# KiCad board agb-hifi-audio-fpc.kicad_pcb
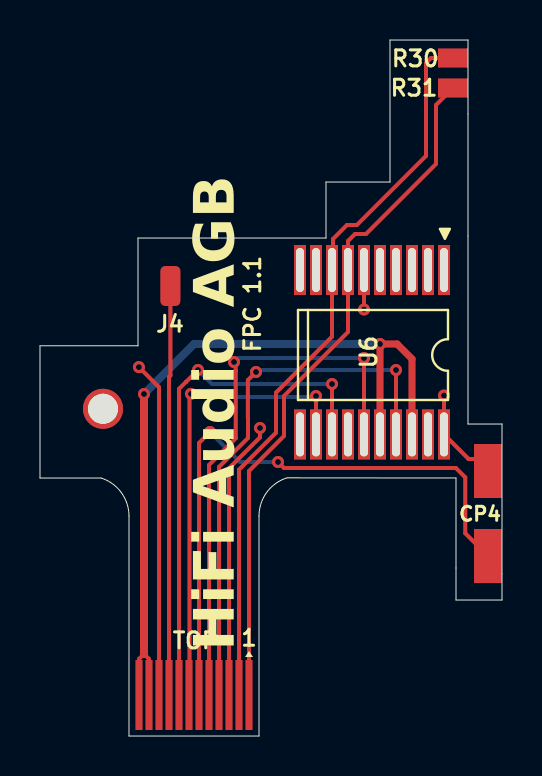
[diagram p0: board, top side]
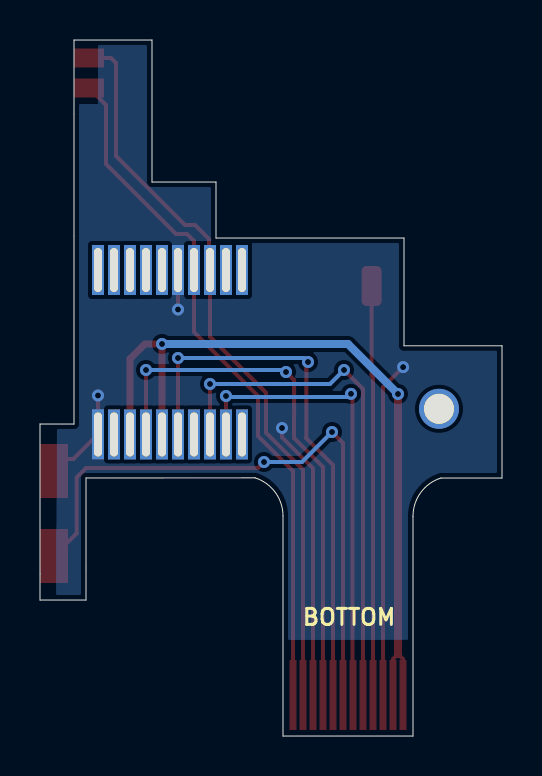
[diagram p1: board, bottom side, seen from below]

Outline 23.1 x 34.8 mm; copper layers: Top, Bottom. Coordinates in mm from the lower left corner of the outline.
Outline path: 0,19.51 4.9,19.51 4.9,24.9 14.3,24.9 14.3,27.7 17.5,27.7 17.5,34.8 21.4,34.8 21.4,15.6 23.1,15.6 23.1,6.8 20.8,6.8 20.8,12.9 12.35,12.91 arc(11.34,12.18) 10.95,11 10.95,0 4.45,0 4.45,10.99 arc(4.06,12.17) 3.05,12.9 0,12.9 0,19.51
Stack: Top 0.018mm / dielectric 0.025mm Polyimide er 3.2 / Bottom 0.018mm

## Placement (name value [footprint] x y rotation side)
J1  AGB_AMP_CONNECT  [AGB AMP CONNECT]  16.9 23.3 0 top
J4  PAIR  [SolderWirePad_1x01_SMD_1x2mm]  6.52 22.5 0 top
J5  BOARD_CONNECT  [FPC-Tail-12pos-0.5mm-FH12A]  7.7 0.3 180 top
REF**  -  [AGB_SPKR_CONNECT]  3.2 22.4 0 top  (not fitted)

## Library data of the parts
J1 = -: Description: Generic connector, double row, 02x09, counter clockwise pin numbering scheme (similar to DIP package numbering), script generated (kicad-library-utils/schlib/autogen/connector/); ki_fp_filters: Connector*:*_2x??_*
J4 = -: Description: Generic connector, single row, 01x01, script generated; ki_fp_filters: Connector*:*_1x??_*
J5 = -: Description: Generic connector, single row, 01x12, script generated (kicad-library-utils/schlib/autogen/connector/); ki_fp_filters: Connector*:*_1x??_*

## Footprints (pads in the part's own frame, mm; a bottom-side part is the same pattern mirrored in y, then rotated)
AGB AMP CONNECT
  rect 0.6x2.5 hole 0.4x2.2: 1(-3.9,0) 1(-3.9,-8.221) 1(3.3,0) 2(2.5,0) 3(1.7,0) 4(0.9,0) 5(0.1,0) 6(-0.7,0) 7(-1.5,0) 8(-2.3,0) 9(-3.1,0) 10(-3.1,-8.221) 11(-2.3,-8.221) 12(-1.5,-8.221) 13(-0.7,-8.221) 14(0.1,-8.221) 15(0.9,-8.221) 16(1.7,-8.221) 17(2.5,-8.221) 18(3.3,-8.221)
AGB_SPKR_CONNECT
  round 2 hole 1.5: 1(-0.05,-6.04)
FPC-Tail-12pos-0.5mm-FH12A
  rect 0.35x3.5 smd: 1(-2.75,-1.75) 2(-2.25,-1.75) 3(-1.75,-1.75) 4(-1.25,-1.75) 5(-0.75,-1.75) 6(-0.25,-1.75) 7(0.25,-1.75) 8(0.75,-1.75) 9(1.25,-1.75) 10(1.75,-1.75) 11(2.25,-1.75) 12(2.75,-1.75)
SolderWirePad_1x01_SMD_1x2mm
  rrect 1x2 smd: 1(0,0)

## Nets
AGND: J5.6
GND: J1.6 J1.18 J5.3 J5.10
VBAT: J1.14 J1.16 J5.11 J5.12
LIN: J1.8 J5.2
LOUT: J1.13 J5.5
PAIR: J4.1 J5.9
RIN: J1.7 J5.1
ROUT: J1.15 J5.4
SW: J1.11 J5.8
VOL: J1.10 J5.7

Pads without a net: J1 1 2 3 4 5 9 12 17; REF** 1

## Via types
v1: diameter 0.6, hole 0.3, Top to Bottom, 16 vias

## Routing (per net, layer and track width the routed paths; a pad name or vN(x,y) marks a point on that pad's centre or on a via; arc(x,y) is an arc through that point)
AGND: length 32
  Top w0.2: 7.95,1.5 7.95,14.65 v1(8.5,15.2) ; 22.4,9 21.26,10.14 21.26,12.93 20.79,13.4 12.2,13.4 v1(11.9,13.7)
  Bottom w0.2: v1(8.5,15.2) 10,13.7 v1(11.9,13.7)
GND: length 38.5
  Top w0.2: J1.6 v1(16.2,21.33) ; 9.45,1.5 9.45,13.38 11,14.93 v1(11,15.4) ; v1(20.2,17.03) J1.18 21.43,13.85 22.4,13.85 ; v1(4.94,18.44) 5.95,17.44 5.95,1.5
VBAT: length 40.3
  Top w0.2: J5.12 4.95,3.85 5.2,4.1 5.45,3.85 J5.11
  Top w0.35: J1.14 v1(17,19.6) 17.85,19.6 18.6,18.85 J1.16
  Top w0.4: v1(5.2,17.1) 5.2,4.1
  Bottom w0.4: v1(17,19.6) 7.7,19.6 v1(5.2,17.1)
LIN: length 37.7
  Top w0.2: 9.95,1.5 9.95,13.32 11.8,15.17 11.8,17.17 14.6,19.97 J1.8 ; 20.65,33.9 19.55,33.9 19.3,33.65 19.3,29.01 15.84,25.55 15.35,25.55 14.65,24.85 14.65,23.35
LOUT: length 28.2
  Top w0.2: 8.45,1.5 8.45,13.55 9.8,14.9 9.79,14.91 9.79,18.28 9.78,18.28 9.78,18.62 v1(9.7,18.7) ; J1.13 v1(16.2,18.9)
  Bottom w0.2: v1(9.7,18.7) 9.9,18.9 v1(16.2,18.9)
PAIR: length 21
  Top w0.2: 6.45,1.5 6.45,17.95 6.52,18.02 J4.1
RIN: length 35.4
  Top w0.2: 10.45,1.5 10.45,13.25 12.2,15 12.2,17 15.4,20.2 J1.7 15.4,24.75 15.75,25.1 16.3,25.1 19.8,28.6 19.8,31.55 20.65,32.4
ROUT: length 27.7
  Top w0.2: J1.15 v1(17.8,18.3) ; v1(10.8,18.2) 10.39,17.79 10.39,15.9 10.4,15.9 10.4,14.9 8.95,13.45 8.95,1.5
  Bottom w0.2: v1(17.8,18.3) 10.9,18.3 v1(10.8,18.2)
SW: length 26.7
  Top w0.2: v1(7.9,18.3) 7.31,17.71 7.3,17.71 6.95,17.36 6.95,1.5 ; J1.11 v1(14.6,17.6)
  Bottom w0.2: v1(14.6,17.6) 8.6,17.6 v1(7.9,18.3)
VOL: length 24
  Top w0.2: 7.48,1.5 7.48,17.03 v1(7.55,17.11) 7.45,17.01 ; J1.10 v1(13.8,17)
  Bottom w0.2: v1(13.8,17) 13.75,16.95 7.71,16.95 v1(7.55,17.11)

## Copper pours and planes (outline as drawn; the poured copper is in the pictures)
GND on Bottom: 31.6,35.7 -8.4,35.6 -7.5,-10.1 33.7,-9.8

## Text on the board
B.Silkscreen: BOTTOM
User.Comments: FLEX PCB FABRICATION NOTES - agb-hifi-audio-fpc / 1. Material: 2-layer flexible PCB, polyimide. Finished copper 0.5 oz (18 um) / both layers. Flex body thickness 0.11-0.13 mm (excluding stiffener). / 2. Finish: ENIG all exposed copper, including the connector fingers and the / edge lands (note 5). / 3. Coverlay both sides. Openings per the mask layers in the supplied data. / 4. STIFFENER (one, connector tail only): polyimide stiffener on the BOTTOM / side under the gold-finger region only, per the stiffener outline on the stiffener layer in the supplied data. / CRITICAL: total finished thickness at the fingers = 0.30 +/-0.05 mm / (mates with Hirose FH12A-12S-0.5SH ZIF). Stiffener must end before the / bend region - see outline. No stiffener anywhere else: all other pad / areas (U6 land, edge lands, ring pads) are soldered down flat and must / remain bare flex. / 5. EDGE-METALLIZED LANDS - INTENTIONAL: four copper rectangles on the top / layer extend flush to the board outline (two at the R30/R31 corner, two / at the CP4 tab). Do NOT pull copper back from the outline at these / features; cutting through copper here is required. These lands are / hand-soldered at the edge after installation. All other copper observes / >=0.25 mm outline clearance. / 6. CRITICAL DIMENSIONS: connector tail width 6.5 +/-0.05 mm across the / finger region; finger pitch 0.5 mm. Outline elsewhere +/-0.1 mm. / 7. The 180-degree fold in the tail is a one-time installation bend (static, / not dynamic). No special bend construction required; do not place / stiffener or coverlay transitions inside the bend region. / 8. Min trace/space in the design: 0.15 mm (at the connector fingers). / 9. Electrical test: 100% (netlist provided in the fabrication data).
F.Silkscreen: CP4 | TOP | R30 | R31 | FPC 1.1 | HiFi Audio AGB
JLC_Stiffener_Bottom: STIFFENER - CONNECTOR TAIL ONLY / POLYIMIDE, BOTTOM SIDE, OPPOSITE / THE GOLD FINGERS. / AREA = THE FILLED RECTANGLE ON THIS / LAYER, 6.525 x 4.825 mm, FLUSH WITH / THE TAIL TIP. / CRITICAL: TOTAL FINISHED THICKNESS / AT THE FINGERS = 0.30 +/-0.05 mm. / SELECT THE STIFFENER THICKNESS TO / SUIT YOUR STACKUP. / MUST END BEFORE THE BEND REGION. / NO STIFFENER ANYWHERE ELSE. | FLEX FABRICATION NOTES - agb-hifi-audio-fpc / 1. 2-LAYER FLEXIBLE POLYIMIDE. FINISHED COPPER / 0.5 oz (18 um) BOTH LAYERS. FLEX BODY / 0.11-0.13 mm, EXCLUDING THE STIFFENER. / 2. ENIG ON ALL EXPOSED COPPER, INCLUDING THE / CONNECTOR FINGERS AND THE EDGE LANDS (NOTE 5). / 3. COVERLAY BOTH SIDES. OPENINGS PER THE MASK / LAYERS IN THE SUPPLIED DATA. / 4. STIFFENER: SEE THE NOTE AT THE CONNECTOR TAIL. / 5. EDGE-METALLIZED LANDS ARE INTENTIONAL: FOUR / TOP-LAYER COPPER RECTANGLES RUN FLUSH TO THE / OUTLINE (TWO AT THE R30/R31 CORNER, TWO AT THE / CP4 TAB). DO NOT PULL COPPER BACK FROM THE / OUTLINE THERE; CUTTING THROUGH COPPER IS / REQUIRED. ALL OTHER COPPER KEEPS >=0.25 mm TO / THE OUTLINE. / 6. CRITICAL DIMENSIONS: TAIL WIDTH 6.5 +/-0.05 mm / ACROSS THE FINGER REGION, FINGER PITCH 0.5 mm. / OUTLINE ELSEWHERE +/-0.1 mm. / 7. THE 180 DEGREE FOLD IN THE TAIL IS A ONE-TIME / INSTALLATION BEND, STATIC NOT DYNAMIC. NO / SPECIAL BEND CONSTRUCTION REQUIRED. NO / STIFFENER OR COVERLAY TRANSITIONS INSIDE THE / BEND REGION. / 8. MIN TRACE/SPACE IN THE DESIGN 0.15 mm, AT THE / CONNECTOR FINGERS. / 9. ELECTRICAL TEST: 100%, NETLIST SUPPLIED.
